# Altium PCB AC_DC_PCB.PcbDoc
Units mm, origin at the board's own origin, x right, y up, seen from the top; angles counter-clockwise.
Board outline 182.5 x 101.58 mm, 2 copper layers (Top Layer, Bottom Layer); 89 components, 48 nets, 245 pads, 224 vias.
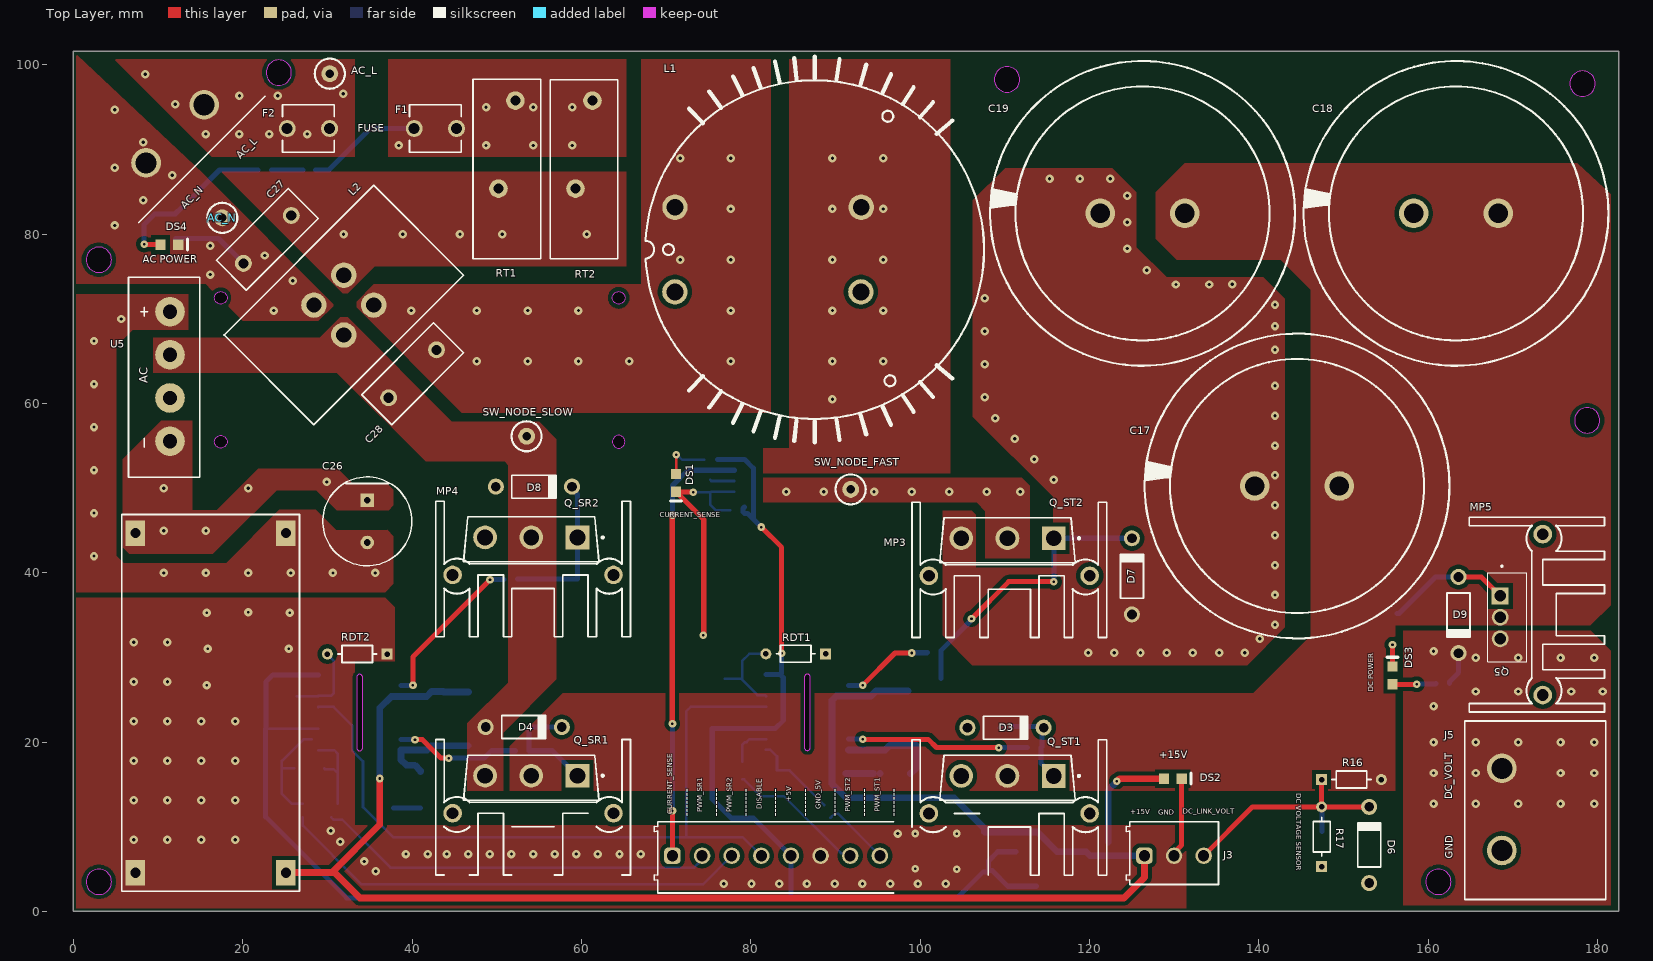
[diagram p0: Top Layer view]
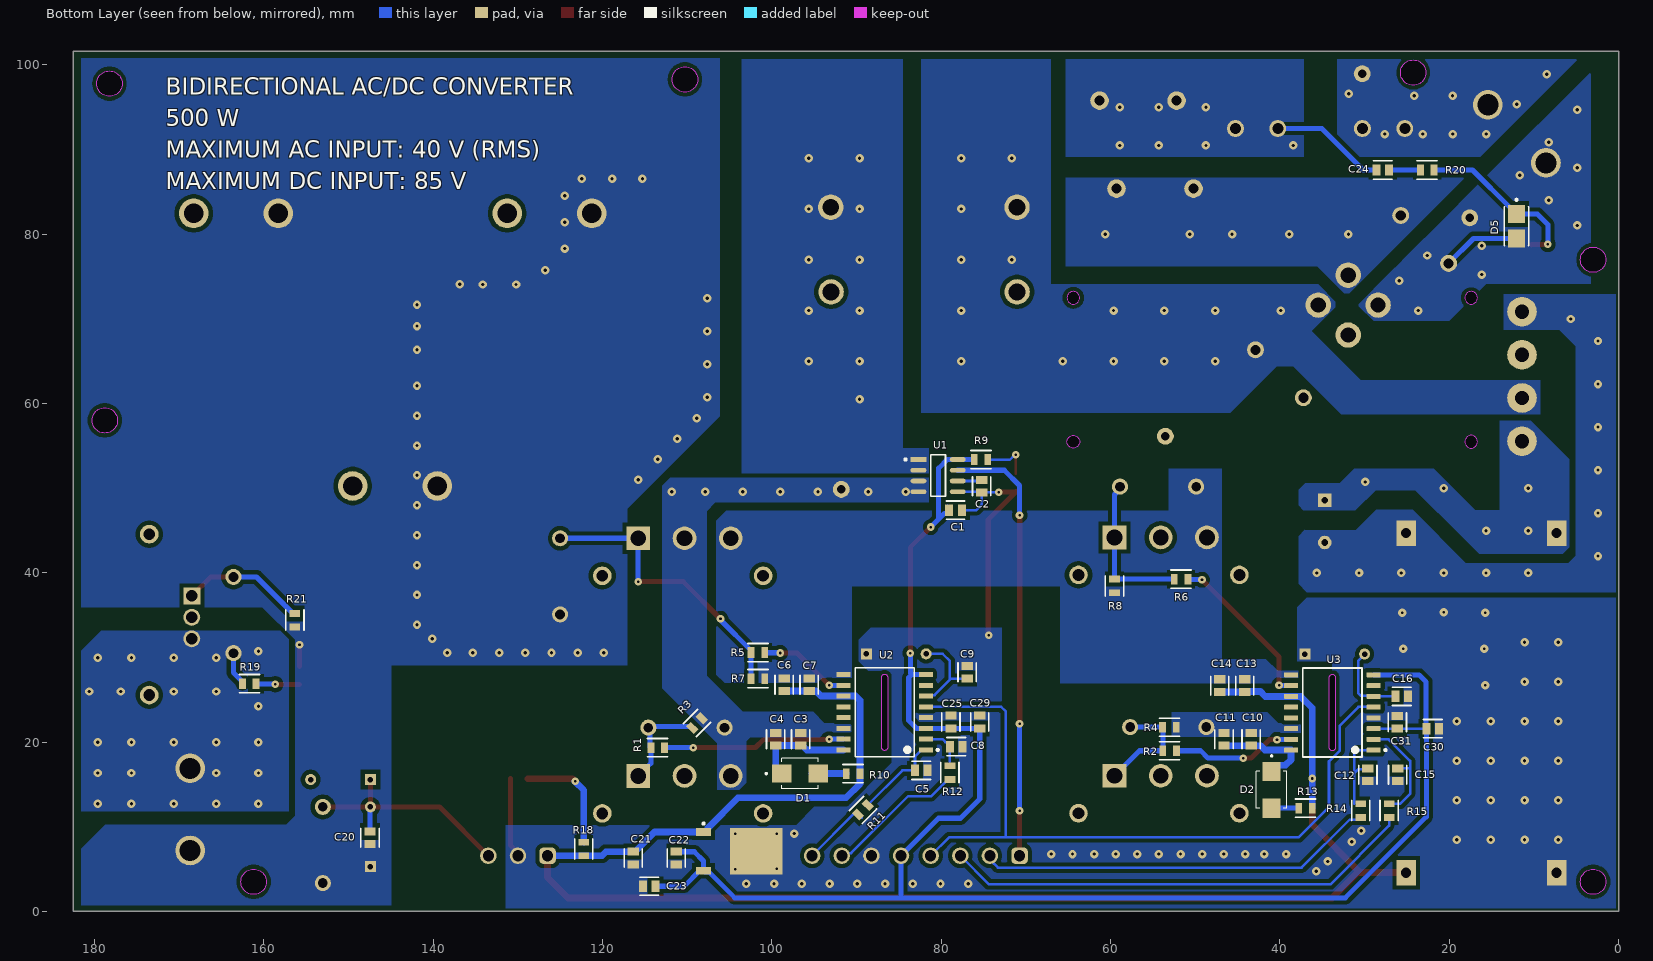
[diagram p1: Bottom Layer view, seen from below]
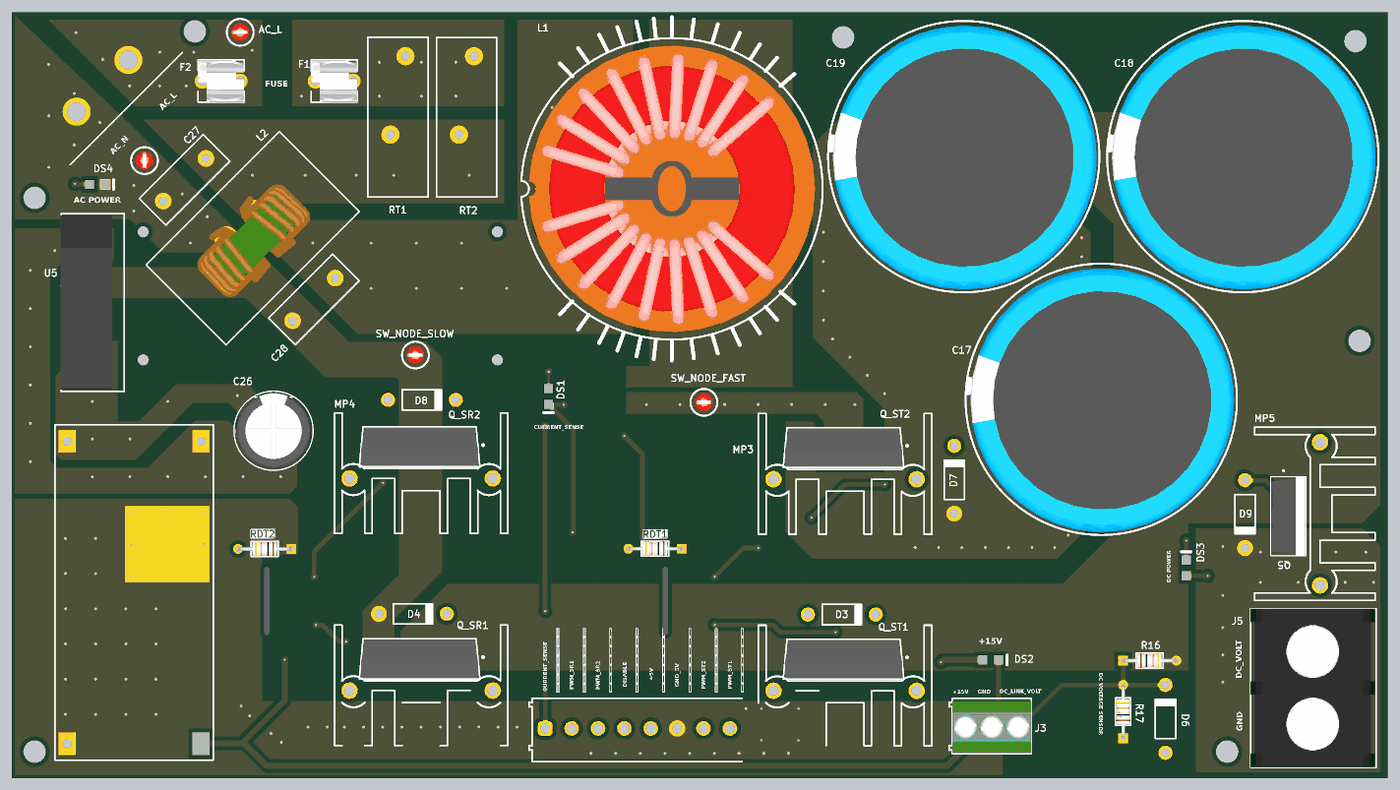
[diagram p2: 3D render of the assembled board from above, using the file's embedded part models]
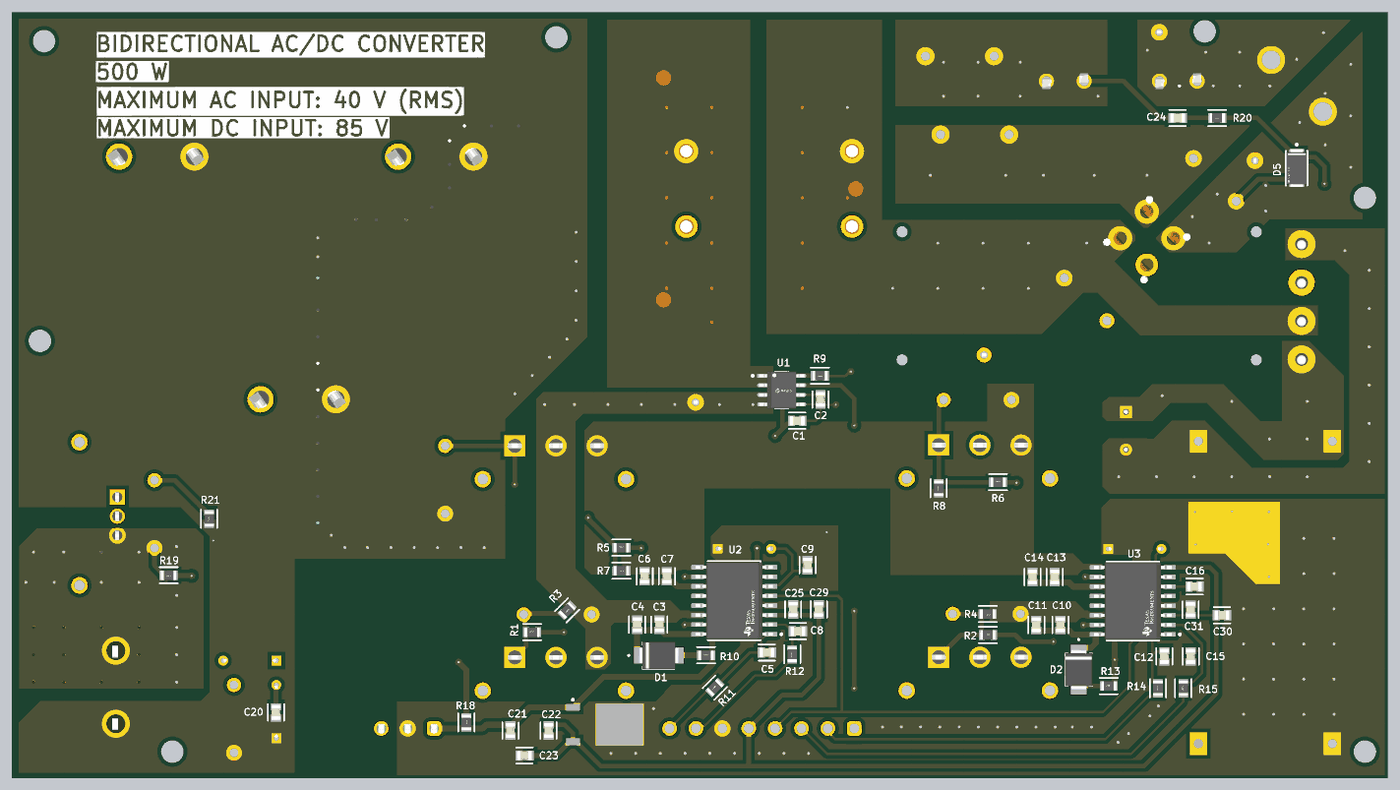
[diagram p3: 3D render of the assembled board from below, using the file's embedded part models]

## Layer stack, top to bottom
Top Solder: solder mask 0.0102, Solder Resist, Dk 3.5
Top Layer: signal copper 0.0356
Dielectric 1: dielectric 0.32, FR-4, Dk 4.8
Bottom Layer: signal copper 0.0356
Bottom Solder: solder mask 0.0102, Solder Resist, Dk 3.5

## Board outline
0,0 182.5,0 182.5,101.575 0,101.575
cut-out: 1.5,3.5 ccw(c3,3.5) 3,2 ccw(c3,3.5) 4.5,3.5 ccw(c3,3.5) 3,5 ccw(c3,3.5)
cut-out: 63.65,55.475 ccw(c64.4,55.475) 64.4,54.725 ccw(c64.4,55.475) 65.15,55.475 ccw(c64.4,55.475) 64.4,56.225 ccw(c64.4,55.475)
cut-out: 64.4,71.725 cw(c64.4,72.475) 63.65,72.475 cw(c64.4,72.475) 64.4,73.225 cw(c64.4,72.475) 65.15,72.475 cw(c64.4,72.475)
cut-out: 17.4,71.725 cw(c17.4,72.475) 16.65,72.475 cw(c17.4,72.475) 17.4,73.225 cw(c17.4,72.475) 18.15,72.475 cw(c17.4,72.475)
cut-out: 17.4,54.725 cw(c17.4,55.475) 16.65,55.475 cw(c17.4,55.475) 17.4,56.225 cw(c17.4,55.475) 18.15,55.475 cw(c17.4,55.475)
cut-out: 22.75,99.075 ccw(c24.25,99.075) 24.25,97.575 ccw(c24.25,99.075) 25.75,99.075 ccw(c24.25,99.075) 24.25,100.575 ccw(c24.25,99.075)
cut-out: 1.5,76.975 ccw(c3,76.975) 3,75.475 ccw(c3,76.975) 4.5,76.975 ccw(c3,76.975) 3,78.475 ccw(c3,76.975)
cut-out: 176.75,97.775 ccw(c178.25,97.775) 178.25,96.275 ccw(c178.25,97.775) 179.75,97.775 ccw(c178.25,97.775) 178.25,99.275 ccw(c178.25,97.775)
cut-out: 108.775,98.275 ccw(c110.275,98.275) 110.275,96.775 ccw(c110.275,98.275) 111.775,98.275 ccw(c110.275,98.275) 110.275,99.775 ccw(c110.275,98.275)
cut-out: 177.3,58 ccw(c178.8,58) 178.8,56.5 ccw(c178.8,58) 180.3,58 ccw(c178.8,58) 178.8,59.5 ccw(c178.8,58)
cut-out: 159.725,3.5 ccw(c161.225,3.5) 161.225,2 ccw(c161.225,3.5) 162.725,3.5 ccw(c161.225,3.5) 161.225,5 ccw(c161.225,3.5)
cut-out: 86.334,19.354 ccw(c86.684,19.354) 87.034,19.354 87.034,27.679 ccw(c86.684,27.679) 86.334,27.679
cut-out: 33.449,19.325 ccw(c33.8,19.325) 34.15,19.325 34.15,27.65 ccw(c33.8,27.65) 33.449,27.65

## Design rules (kind name [scope] priority, off if disabled: settings)
BoardOutlineClearance [All] p1: gap=0.35 ignorepadtopadclearanceinfootprint=FALSE
Clearance "AC_L_FLTR Rule" [InNamedPolygon('NONET_L-01_P-001') Or InNamedPolygon('NONET_L-01_P-001')] p1: gap=0.5 ignorepadtopadclearanceinfootprint=FALSE except(0.25: Text-Text Text-Hole; 0.4: Arc-Arc Arc-Track Track-Track)
Clearance "AC_L Rule" [InNamedPolygon('NONET_L-01_P-001') Or InNamedPolygon('NONET_L-01_P-001')] p2: gap=0.5 ignorepadtopadclearanceinfootprint=FALSE except(0.254: Text-Text Text-Hole; 0.45: Arc-Arc Arc-Track Track-Track)
Clearance AC_N_FLTR [InNamedPolygon('NONET_L-01_P-001') Or InNamedPolygon('NONET_L-01_P-001')] p3: gap=0.5 ignorepadtopadclearanceinfootprint=FALSE except(0.254: Text-Text Text-Hole; 0.45: Arc-Arc Arc-Track Track-Track)
Clearance "AC_N Rule" [InNamedPolygon('NONET_L-01_P-001') Or InNamedPolygon('NONET_L-01_P-001')] p4: gap=0.5 ignorepadtopadclearanceinfootprint=FALSE except(0.254: Text-Text Text-Hole; 0.4: Arc-Arc Arc-Track Track-Track)
Clearance "VSSB Rule" [InNamedPolygon('NONET_L-01_P-001') Or InNamedPolygon('NONET_L-01_P-001')] p5: gap=0.6 ignorepadtopadclearanceinfootprint=FALSE except(0.25: Text-Text Text-Hole)
Clearance "MCP+ve Rule" [InNamedPolygon('NONET_L-01_P-001') Or InNamedPolygon('NONET_L-01_P-001')] p6: gap=0.5 ignorepadtopadclearanceinfootprint=FALSE except(0.25: Text-Text Text-Hole)
Clearance GND_VDD [InNamedPolygon('NONET_L-01_P-001')] p7: gap=0.3 ignorepadtopadclearanceinfootprint=FALSE except(0.4: Arc-Arc Arc-Track Track-Track)
Clearance [All] p8: gap=0.3 ignorepadtopadclearanceinfootprint=FALSE except(0.4: Arc-Arc Arc-Track Track-Track; 0.6: THPad-Fill THPad-Poly THPad-Region Fill-Fill Fill-Poly Fill-Region Poly-Poly Poly-Region Region-Region)
Height [All] p1: minheight=0 maxheight=50 prefheight=12.7
HoleSize [All] p1: absolutevalues=TRUE maxlimit=6.3 minlimit=0.25 maxpercent=80.000 minpercent=20.000
HoleToHoleClearance [All] p1: gap=0.55 allowstackedmicrovias=TRUE
MinimumAnnularRing [All] p1: minimumring=0.3
MinimumSolderMaskSliver [All] p1: minsoldermaskwidth=0.1
PlaneClearance [All] p1: clearance=1
PlaneConnect [All] p1: planeconnectstyle=Direct reliefexpansion=0.508 reliefentries=4 reliefconductorwidth=0.254 reliefairgap=0.254
PolygonConnect [All] p1: connectstyle=Direct reliefconductorwidth=0.254 reliefentries=4 polygonreliefangle="90 Angle" airgapwidth=0.254
RoutingVias [All] p1: holewidth=0.35 width=0.5 viastyle="Through Hole" minholewidth=0.2 minwidth=0.4 maxholewidth=0.8 maxwidth=1.27
SolderMaskExpansion SolderMaskExpansion_Via [IsVia] p1: expansion=0.102 istentingtop=TRUE
SolderMaskExpansion [All] p2: expansion=0.102 istentingtop=FALSE useseparateexpansions=TRUE expansionbottom=0.102 istentingbottom=FALSE soldermaskfromhole=TRUE
Width [All] p1: maxlimit=2 minlimit=0.2 preferedwidth=0.6 minimp=50.000000 maximp=50.000000 favimp=50.000000
24 further rules are at their usual default settings.

## Classes and differential pairs
component class AC_DC_POWER: a AC_L AC_N C1 C2 C17 C18 C19 C20 C24 C27 C28 D3 D4 D5 D6 D7 D8 D9 DS1 DS3 DS4 F1 F2 J3 J5 L1 L2 MP3 MP4 MP5 Q5 Q_SR1 Q_SR2 Q_ST1 Q_ST2 R1 R2 R3 R4 R5 R6 R7 R8 R9 R16 R17 R19 R20 R21 SW_NODE_FAST SW_NODE_SLOW U1
component class AC_DC_CONTROL: C3 C4 C5 C6 C7 C8 C9 C10 C11 C12 C13 C14 C15 C16 C21 C22 C23 C25 C26 C29 C30 C31 D1 D2 DS2 R10 R11 R12 R13 R14 R15 R18 RDT1 RDT2 U2 U3 U5

## Components (designator, comment, footprint, x,y, rotation, side; value= is the part's Value field where it differs from the comment)
AC_L "AC_LINE" PCBComponent_1#1 30.275,98.95 r90 top (schematic designator TP_AC_L)
AC_N "AC_LINE" PCBComponent_1#1 17.575,81.925 r180 top (schematic designator TP_AC_N)
C1 "220 nF" FP-C0805C-DN-MFG 78.325,47.4 r180 bottom value="0.22 μF"
C2 "1 nF" FP-C0805C-DN-MFG 75.225,50.225 r270 bottom value="0.22 μF"
C3 "220 nF" FP-C0805C-DN-MFG 96.609,20.35 r90 bottom value="0.22 μF"
C4 "10 uF" FP-C0805C-DN-MFG 99.56,20.35 r90 bottom value="0.22 μF"
C5 "20 pF" FP-C0805C-DN-MFG 82.35,16.65 r180 bottom value="0.22 μF"
C6 "220 nF" FP-C0805C-DN-MFG 98.56,26.775 r90 bottom value="0.22 μF"
C7 "10 uF" FP-C0805C-DN-MFG 95.609,26.775 r90 bottom value="0.22 μF"
C8 "20 pF" FP-C0805C-DN-MFG 78.225,19.475 r180 bottom value="0.22 μF"
C9 "2.2 nF" FP-C0805C-DN-MFG 76.95,28.25 r90 bottom value="0.22 μF"
C10 "220 nF" FP-C0805C-DN-MFG 43.401,20.321 r90 bottom value="0.22 μF"
C11 "10 uF" FP-C0805C-DN-MFG 46.601,20.321 r90 bottom value="0.22 μF"
C12 "20 pF" FP-C0805C-DN-MFG 29.6,16.134 r270 bottom value="0.22 μF"
C13 "220 nF" FP-C0805C-DN-MFG 44.151,26.671 r90 bottom value="0.22 μF"
C14 "10 uF" FP-C0805C-DN-MFG 47.101,26.671 r90 bottom value="0.22 μF"
C15 "20 pF" FP-C0805C-DN-MFG 26.1,16.134 r270 bottom value="0.22 μF"
C16 "2.2 nF" FP-C0805C-DN-MFG 25.6,25.4 r180 bottom value="0.22 μF"
C17 "1mF" PCBComponent_1#2 144.525,50.25 r180 top
C18 "1mF" PCBComponent_1#2 163.3,82.45 r180 top
C19 "1mF" PCBComponent_1#2 126.275,82.45 r180 top
C20 "470 pF" FP-C0805C-DN-MFG 147.475,8.7 r270 bottom value="0.22 μF"
C21 "220 nF" FP-C0805C-DN-MFG 116.375,6.3 r270 bottom value="0.22 μF"
C22 "220 nF" FP-C0805C-DN-MFG 111.3,6.3 r270 bottom value="0.22 μF"
C23 "2.2 uF" FP-C0805C-DN-MFG 114.5,2.975 r0 bottom value="0.22 μF"
C24 "220 nF" FP-C0805C-DN-MFG 27.85,87.575 r180 bottom value="0.22 μF"
C25 "220 nF" FP-C0805C-DN-MFG 78.85,22.37 r90 bottom value="0.22 μF"
C26 "100uF" FP-RAD-TH-D_10_0_5-L_30_2-MFG 34.7,46.075 r270 top
C27 "1.2 uF" PCBComponent_1#3 22.9,79.375 r225 top
C28 "1.2 uF" PCBComponent_1#3 40.053,63.503 r225 top
C29 "220 nF" FP-C0805C-DN-MFG 75.45,22.37 r90 bottom value="0.22 μF"
C30 "220 nF" FP-C0805C-DN-MFG 21.95,21.591 r180 bottom value="0.22 μF"
C31 "220 nF" FP-C0805C-DN-MFG 26.125,22.341 r90 bottom value="0.22 μF"
D1 "ES3GB" DIOM4336X265N 96.675,16.275 r180 bottom
D2 "ES3GB" DIOM4336X265N 40.975,14.365 r270 bottom
D3 "1N4744A" FAIR-DO-41-2_V 110.097,21.7 r0 top
D4 "1N4744A" FAIR-DO-41-2_V 53.187,21.778 r0 top
D5 "1N4007 SMD" FP-1N4007_SMD-IPC_C 12.05,80.925 r270 bottom
D6 "1N4728A" FAIR-DO-41-2_V 153.05,7.85 r90 top
D7 "1N4744A" FAIR-DO-41-2_V 125.025,39.575 r90 top
D8 "1N4744A" FAIR-DO-41-2_V 54.387,50.173 r0 top
D9 "1N4744A" FAIR-DO-41-2_V 163.6,35.008 r270 top
DS1 "HSMG-C170" AVAG-HSMX-C170_V 71.175,50.625 r270 top
DS2 "HSMG-C170" AVAG-HSMX-C170_V 129.85,15.675 r0 top
DS3 "HSMG-C170" AVAG-HSMX-C170_V 155.8,27.875 r90 top
DS4 "HSMG-C170" AVAG-HSMX-C170_V 11.325,78.75 r0 top
F1 "0751.0110" FP-0751_0110-MFG 42.75,92.475 r0 top
F2 "0751.0110" FP-0751_0110-MFG 27.75,92.475 r0 top
J3 "KF350-3P" PCBComponent_1#4 130,6.575 r0 top
J5 "Barrier_2_pins" PCBComponent_1#5 168.725,12.05 r90 top
L1 "Common Mode Choke" PCBComponent_1#6 87.55,78.175 r90 top
L2 "16mH" PCBComponent_1#7 31.933,71.618 r315 top
MP3 "Heat Sink" PCBComponent_1#8 110.537,40.348 r180 top
MP4 "Heat Sink" PCBComponent_1#8 54.287,40.448 r180 top
MP5 "Heat Sink" PCBComponent_1#8 172.85,35.058 r270 top
Q5 "IRF9540N" PCBComponent_1#9 168.474,34.732 r270 top
Q_SR1 "IRFP4227PBF" FP-PG-TO247-3-MFG 54.075,15.8 r270 top
Q_SR2 "IRFP4227PBF" FP-PG-TO247-3-MFG 54.075,43.948 r270 top
Q_ST1 "IRFP4227PBF" FP-PG-TO247-3-MFG 110.325,15.775 r270 top
Q_ST2 "IRFP4227PBF" FP-PG-TO247-3-MFG 110.325,43.848 r270 top
R1 "22" FP-RC0805-0_6-IPC_C 113.5,19.35 r180 bottom
R2 "22" FP-RC0805-0_6-IPC_C 53.025,18.975 r180 bottom
R3 "100K" FP-RC0805-0_6-IPC_C 108.85,22.25 r315 bottom
R4 "47K" FP-RC0805-0_6-IPC_C 53.05,21.75 r0 bottom
R5 "22" FP-RC0805-0_6-IPC_C 101.65,30.575 r180 bottom
R6 "22" FP-RC0805-0_6-IPC_C 51.675,39.25 r180 bottom
R7 "100K" FP-RC0805-0_6-IPC_C 101.65,27.5 r0 bottom
R8 "47K" FP-RC0805-0_6-IPC_C 59.535,38.448 r90 bottom
R9 "2.2K" FP-RC0805-0_6-IPC_C 75.3,53.375 r0 bottom
R10 "120" FP-RC0805-0_6-IPC_C 90.411,16.275 r180 bottom
R11 "100" FP-RC0805-0_6-IPC_C 89.25,12 r135 bottom
R12 "100" FP-RC0805-0_6-IPC_C 78.975,16.4 r90 bottom
R13 "120" FP-RC0805-0_6-IPC_C 36.977,12.2 r180 bottom
R14 "100" FP-RC0805-0_6-IPC_C 30.45,11.909 r90 bottom
R15 "100" FP-RC0805-0_6-IPC_C 27.1,11.909 r90 bottom
R16 "200K" PCBComponent_1#10 150.95,15.575 r0 top
R17 "200K" PCBComponent_1#10 147.433,8.816 r90 top
R18 "7.k" FP-RC0805-0_6-IPC_C 122.225,7.375 r270 bottom
R19 "7.k" FP-RC0805-0_6-IPC_C 161.725,26.9 r0 bottom
R20 "7.k" FP-RC0805-0_6-IPC_C 22.6,87.575 r0 bottom
R21 "47K" FP-RC0805-0_6-IPC_C 156.35,34.4 r90 bottom
RDT1 "200K" PCBComponent_1#10 85.316,30.425 r180 top
RDT2 "200K" PCBComponent_1#10 33.525,30.4 r180 top
SW_NODE_FAST "TP" PCBComponent_1#1 91.8,49.85 r90 top
SW_NODE_SLOW "TP" PCBComponent_1#1 53.525,56.125 r90 top
U1 "ACS712ELCTR-30A-T" FP-LC-8-IPC_C 80.375,51.475 r180 bottom
U2 "UCC21520DW" FP-DW0016B-MFG 86.675,23.525 r0 bottom
U3 "UCC21520DW" FP-DW0016B-MFG 33.791,23.496 r0 bottom
U5 "KBU1010" PCBComponent_1#11 11.4,63.1 r90 top

## Footprints (in the part's own frame and the unit in brackets; to place one, negate y for a bottom-side part, rotate by r counter-clockwise, add the part's x,y. Pads: shape width x height; smd on the part's side, far side on the other; paste and mask are expansions set on the pad)
AVAG-HSMX-C170_V [mm] "SMD, 2-Leads, Body 2x1.25mm, Height 0.8mm"
  rect 1.2x1.2 smd: 1(-1.05,0) 2(1.05,0)
  silkscreen extent 2.15,-0.63 2.15,0.63, body extent -1,-0.63 1,0.63, height 0.8
DIOM4336X265N [mm]
  rect 2.28x2.12 smd: A(2.165,0) C(-2.165,0)
  silkscreen extent -4.1,-1.81 2.16,1.81, body extent -2.67,-1.81 2.67,1.81, height 2.65
FAIR-DO-41-2_V [mm] "2-Leads, Axial leaded, Body 2.72x5.2mm, Pin Spacing 9mm"
  round 1.9 hole 1.15: 1(-4.5,0) 2(4.5,0)
  silkscreen extent -2.6,-1.36 2.6,1.36, body extent -4.93,-1.36 4.93,1.36, height 2.71
FP-1N4007_SMD-IPC_C [mm]
  rect 2.1x2 smd paste+0 mask+0: 1(-1.45,0) 2(1.45,0)
  silkscreen extent -3.25,-1.45 2.3,1.45, body extent -2.52,-1.35 2.52,1.35, height 2.62
FP-0751_0110-MFG [mm]
  round 2 hole 1.3 paste-2539.97 mask+0: 1(-2.5,0) 1(2.5,0)
  silkscreen extent -3.05,-2.8 3.05,2.8, body extent -3.6,-2.9 3.6,2.9, height 0.25
FP-C0805C-DN-MFG [mm]
  rect 0.95x1.35 smd paste+0 mask+0: 1(-0.75,0) 2(0.75,0)
  silkscreen extent -1.1,-1.07 1.1,1.07, body extent -1,-0.63 1,0.63, height 0.88
FP-DW0016B-MFG [mm]
  rrect17% 1.65x0.6 smd paste+0 mask+0: 1(-4.875,4.445) 2(-4.875,3.175) 3(-4.875,1.905) 4(-4.875,0.635) 5(-4.875,-0.635) 6(-4.875,-1.905) 7(-4.875,-3.175) 8(-4.875,-4.445) 9(4.875,-4.445) 10(4.875,-3.175) 11(4.875,-1.905) 12(4.875,-0.635) 13(4.875,0.635) 14(4.875,1.905) 15(4.875,3.175) 16(4.875,4.445)
  silkscreen extent -6.37,-5.25 3.5,5.25, body extent -5.15,-5.15 5.15,5.15, height 2.65
FP-LC-8-IPC_C [mm]
  rect 1.874x0.542 smd paste+0 mask+0: 1(-2.316,1.905)
  rrect100% 1.874x0.542 smd paste+0 mask+0: 2(-2.316,0.635) 3(-2.316,-0.635) 4(-2.316,-1.905) 5(2.316,-1.905) 6(2.316,-0.635) 7(2.316,0.635) 8(2.316,1.905)
  silkscreen extent -3.98,-2.45 0.88,2.45, body extent -3,-2.45 3,2.45, height 1.75
FP-PG-TO247-3-MFG [mm]
  rect 2.8x2.8 hole 1.85 paste-2539.97 mask+0: 1(-0.228,5.46)
  round 2.8 hole 1.85 paste-2539.97 mask+0: 2(-0.228,0) 3(-0.228,-5.46)
  silkscreen extent -2.66,-8 2.66,8.56, body extent -2.76,-8.16 2.76,8.16, height 0.25
FP-RAD-TH-D_10_0_5-L_30_2-MFG [mm]
  rect 1.6x1.6 hole 0.8 paste-2539.97 mask+0: 1(-2.5,0)
  round 1.6 hole 0.8 paste-2539.97 mask+0: 2(2.5,0)
  silkscreen extent -5.25,-5.25 5.25,5.25, body extent -5.35,-5.35 5.35,5.35, height 0.25
FP-RC0805-0_6-IPC_C [mm]
  rect 0.808x1.262 smd paste+0 mask+0: 1(-0.802,0) 2(0.802,0)
  silkscreen extent -1.21,-1.07 1.21,1.07, body extent -1,-0.63 1,0.63, height 0.6
PCBComponent_1#1 [mm]
  round 2 hole 1: 1(0,0)
  silkscreen extent -1.78,-1.78 1.78,1.78, body extent -1.15,-1.15 1.15,1.15, height 5
PCBComponent_1#2 [mm]
  round 3.5 hole 2.3: 1(-5,0) 2(5,0)
  silkscreen extent -18,-18 18,18, body extent -24.77,-24.52 24.52,24.78, height 40
PCBComponent_1#3 [mm]
  round 2 hole 1.2: 1(-4,0) 2(4,0)
  silkscreen extent -6,-2.5 6,2.5
PCBComponent_1#4 [mm]
  rrect50% 1.95x1.95 hole 1.3: 1(-3.5,0)
  round 1.95 hole 1.3: 2(0,0) 3(3.5,0)
  silkscreen extent -5.65,-3.4 5.25,4, body extent -5.25,-3.23 5.25,3.67, height 8.8
PCBComponent_1#5 [mm]
  round 3.5 hole 2.5: 1(-4.85,0) 2(4.85,0)
  silkscreen extent -10.64,-12.25 10.44,4.38, body extent -10.61,-12.12 10.44,4.38, height 18.5
PCBComponent_1#6 [mm]
  round 3 hole 2: 1(5,16.5) 2(5,-5.5) 3(-5,-5.461) 4(-5,16.51)
  silkscreen extent -22.77,-20 22.77,19.97, body extent -19,-19 19,18.97, height 19.29
PCBComponent_1#7 [mm]
  round 3 hole 1.8: 1(-2.5,2.5) 2(2.5,2.5) 3(-2.5,-2.5) 4(2.5,-2.5)
  silkscreen extent -7.5,-12.5 7.5,12.5, body extent -4.37,-8.13 4.63,7.87, height 15.53
PCBComponent_1#8 [mm]
  round 2.2 hole 1.4: 1(-9.5,0.7) 2(9.5,0.7)
  silkscreen extent -11.5,-8 11.5,8
PCBComponent_1#9 [mm]
  rect 2.01x2.01 hole 1.34: 1(-2.548,0.051)
  round 2.01 hole 1.34: 2(-0.008,0.051) 3(2.532,0.051)
  silkscreen extent -6.15,-1.45 5.25,3.21, body extent -5.18,-1.32 5.23,3.12, height 19.3
PCBComponent_1#10 [mm]
  rect 1.3x1.3 hole 0.65 paste-2539.97 mask+0: 1(-3.534,0)
  round 1.3 hole 0.65 paste-2539.97 mask+0: 2(3.534,0)
  silkscreen extent -2.3,-1 2.3,1, body extent -3.96,-1.1 3.96,1.1, height 0.25
PCBComponent_1#11 [mm]
  round 3.5 hole 1.7: 1(-2.453,0) 2(7.747,0) 3(2.647,0) 4(-7.553,0)
  silkscreen extent -11.8,-3.5 11.8,4.9, body extent -11.59,-1.9 11.61,4.95, height 20.44

## Part data